# Altium PCB as_x31.PcbDoc (part 7 of 8) (continued)
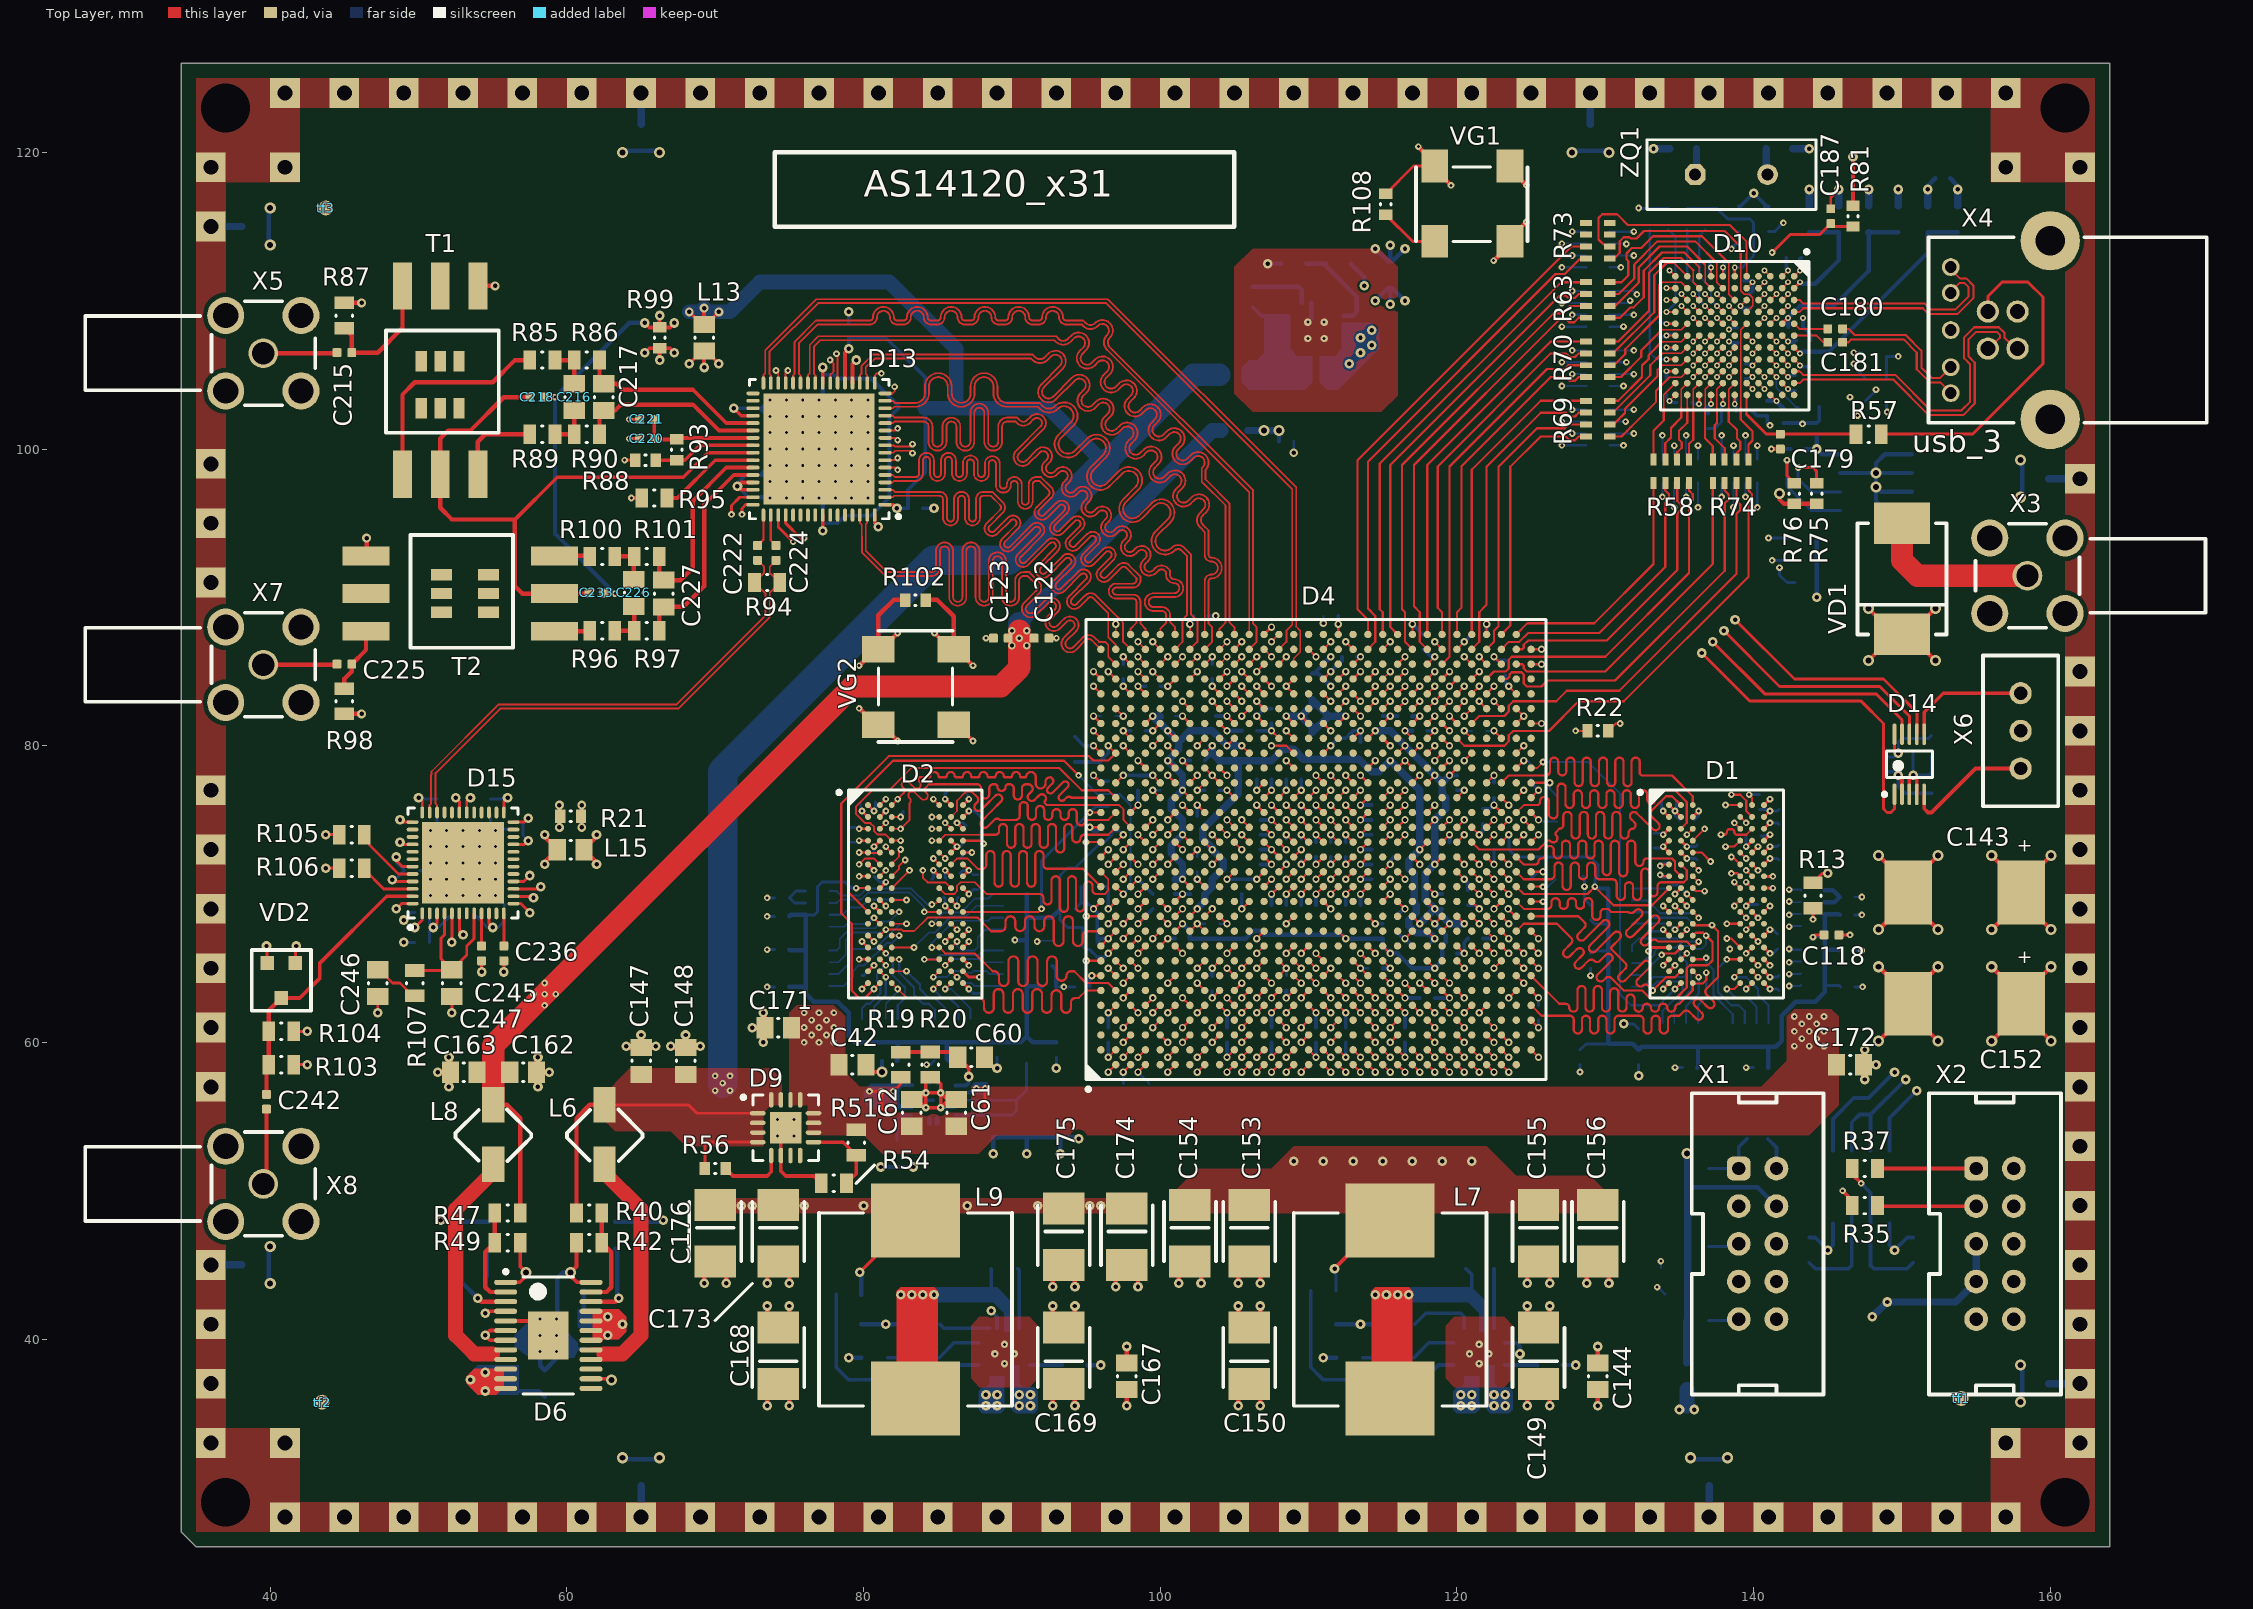
[diagram p0: Top Layer view]
## Nets (pads, with @x,y where several pads share a name; then routed paths per layer and width w, separated by ;. In a path a pad name is that pad's centre, name@x,y a point inside that pad or via, vN(x,y) a via of type N, cw(c..) or ccw(c..) an arc to the next point about the centre after c; other vN are vias at no path point) (continued)
  Bottom Layer w0.15: C136.2@97,82 v1(97.5,82) ; v1(102.5,68) C137.2@103,68 ; v1(102.5,71) C135.2@102.5,71.5 v1(102.5,71) ; C116.2@122,81 v1(122.5,81) C116.2@122,81
  Bottom Layer w0.2: C32.2@79.1,74.5 79.6,74.5 v2(79.7,74.4) ; C58.2@79.9,64.5 80,64.5 v2(80.7,65.2) ; C34.2@80.7,71.2 81.1,70.8 v2(81.5,70.8) ; C52.2@80.7,72.7 v2(80.7,73.2) ; v2(80.7,75.6) 80.8,75.7 C33.2@80.8,76.2 ; C37.2@84.6,71 84.7,71.1 v2(84.7,71.6) ; C36.2@85.4,69.8 85.5,69.7 v2(85.5,69.2) ; v2(85.5,76.4) 85.5,76.8 C249.2@85.7,77 ; v2(86.3,74.8) 86.7,74.8 C38.2@86.9,74.6 ; C53.2@86.5,72.4 86.9,72.8 v2(87.3,72.8) ; v2(87.1,70) 87.4,70.3 C35.2@87.7,70.3 ; C54.2@87.9,74.2 87.9,73.6 v2(88.1,73.4) ; C252.2@125,77.75 125,77.5 v1(125.5,77) ; v1(125.5,61) C114.2@125.5,61.5 ; v3(131.25,61.25) 131.9,61.25 R17.1@132.25,60.9 ; C29.2@133.3,74.1 133.8,74.1 v2(133.9,74) ; v2(133.7,71.9) 133.9,72.1 C23.2@134.3,72.1 ; C248.2@134.8,76.2 134.8,75.7 v2(134.7,75.6) 134.7,75.3 C47.2@135,75 ; v2(135.5,73.2) 136.1,73.2 C28.2@136.2,73.3 ; v2(139.7,76.7) C30.2@140.4,76.7 ; C26.2@140.5,73.9 141,73.9 v2(141.1,74) ; v2(141.1,64.4) 141.6,64.4 C51.2@141.7,64.5 ; v2(141.1,66) 141.3,66 C50.2@141.6,66.3 ; v2(141.1,73.2) 141.6,73.2 C25.2@141.7,73.3 ; v2(141.1,74.8) 141.6,74.8 C27.2@141.7,74.7
  Bottom Layer w0.25: R18.1@94.25,80.6 94.85,80 v1(95.5,80) ; C138.2@95.25,63.75 95.25,64.375 v1(95.375,64.5) ; C124.2@96.5,61 v1(96.5,62) ; v1(98.5,68) C127.2@99.5,69 ; v1(98.5,76) C125.2@98.5,77 ; C126.2@99,81 v1(99.5,81) ; C130.2@104,77 v1(104.5,77) ; v1(105.5,69) C129.2@105.5,70 ; C250.2@115.9,68.5 116.4,69 v1(116.5,69) ; v1(120.5,71) 120.75,70.75 C111.2@120.75,70.25 ; v1(121.5,74) 121.75,74.25 C112.2@121.75,74.75 ; C113.2@121.75,67 v1(122.5,67) ; C115.2@122.5,77.5 v1(122.5,78) ; C117.2@123.25,84.75 123.25,84.25 v1(123.5,84)
  other v2: 142.75,59.75 143.75,59.75 144.75,59.75 76,60 77,60 78,60 143.25,60.25 144.25,60.25 76.5,60.5 77.5,60.5 142.75,60.75 143.75,60.75 144.75,60.75 76,61 77,61 78,61 143.25,61.25 144.25,61.25 76.5,61.5 77.5,61.5 142.75,61.75 143.75,61.75 144.75,61.75 76,62 77,62 78,62
V1P8A: C230.2 C231.2 C232.2 D13.36 D13.45 D13.46 L13.1 | length 10.4
  Top Layer w0.25: v3(68.25,105.75) 69.1,106.6 L13.1@69.25,106.6 ; v3(69.25,105.5) L13.1@69.25,106.6 ; v3(70.25,105.75) 69.4,106.6 L13.1@69.25,106.6 ; v3(71.25,102.75) 71.75,102.25 D13.36@72.55,102.25 ; D13.46@72.55,97.25 71.75,97.25 v3(71.5,97.5) 71.75,97.75 D13.45@72.55,97.75
  Bottom Layer w0.25: v3(71.25,102.75) C230.2@72.05,102.75 ; C232.2@72.05,96.75 72.05,96.95 v3(71.5,97.5) 71.5,97.7 C231.2@72.05,98.25
V1P8D: C147.2 C148.2 C234.2 C235.2 D9.1 D9.2 D9.3 D9.4 D9.15 D9.16 D13.1 D13.21 L6.2 L13.2 L14.2 L25.1 R40.2 R56.2 | length 152.8
  Top Layer w0.2: L6.2@62.529,55.788 68.212,55.788 68.775,55.225 D9.1@72.875,55.225 ; R56.2@69.3,51.5 69.3,53.05 69.525,53.275 D9.4@72.875,53.275
  Top Layer w0.25: v7(68.25,109.25) 69.1,108.4 L13.2@69.25,108.4 ; v7(69.25,109.5) 69.25,109.25 L13.2@69.25,108.4 ; v7(70.25,109.25) 69.4,108.4 L13.2@69.25,108.4 ; D13.21@78.75,104.45 78.75,106.5 v3(79,106.75) ; D13.1@81.45,96.25 82,96.25 v3(82.25,96)
  Top Layer w0.3: R40.2@60.65,48.5 60.65,54.9 61.538,55.788 L6.2@62.529,55.788
  Bottom Layer w0.25: v3(79,106.75) C235.2@79,107.5 81.5,107.5 84.15,104.85 L14.2@84.15,102.75 84.15,98.4 83,97.25 C234.2@83,96 v3(82.25,96)
  Bottom Layer w1: v7(68.25,109.25) 69,109.25 v7(69.25,109.5) 69.5,109.25 v7(70.25,109.25) 71,109.25 73,111.25 81.75,111.25 86.25,106.75 86.25,102.75 ; L14.2@84.15,102.75 86.25,102.75 ; 96.25,99 92.5,102.75 86.25,102.75
  Bottom Layer w1.5: 96.25,99 102.25,105 L25.1@104,105
  Bottom Layer w2: v2(70.5,57.25) 70.5,78.25 84.75,92.5 89.75,92.5 96.25,99
  other v2: 70,56.75 71,56.75 70,57.75 71,57.75
V1P8DVDD: C228.2 C229.2 D13.24 D13.57 L14.1 | length 20.7
  Top Layer w0.25: v3(77.25,94.5) D13.57@77.25,95.55 ; D13.24@77.25,104.45 v3(77.25,105.5)
  Bottom Layer w0.25: v3(77.25,94.5) C229.2@77.25,95 78.25,95 78.75,95.5 80.5,95.5 81.75,96.75 81.75,102.15 L14.1@82.35,102.75 82.35,102.9 80.5,104.75 78.25,104.75 78,105 C228.2@77.25,105 v3(77.25,105.5)
V1P8USB: D12.1 D12.2 D12.3 D12.4 D12.15 D12.16 L25.2 R84.2 | length 2.6
  Bottom Layer w0.25: R84.2@106.25,109.55 106.825,108.975 D12.4@108.625,108.975
V2P5D: C97.2 C98.2 C99.2 C100.2 C101.2 C102.2 C103.2 C104.2 C105.2 C106.2 C107.2 C108.2 C122.2 C123.2 C131.2 C132.2 C133.2 C134.2 C139.2 C140.2 C141.2 C142.2 C162.2 C163.2 D4.AA22 D4.AB11 D4.AB25 D4.AC12 D4.AC17 D4.AC20 D4.AC28 D4.AD10 D4.AD15 D4.AE11 D4.AE21 D4.AE24 D4.AF27 D4.AG30 D4.C28 D4.D24 D4.F11 D4.F21 D4.F23 D4.F27 D4.G13 D4.G16 D4.G19 D4.G30 D4.J26 D4.K23 D4.K29 D4.L22 D4.M24 D4.M25 D4.N28 D4.P21 D4.P24 D4.R24 D4.T26 D4.T27 D4.U24 D4.U30 D4.W23 D4.W25 D4.W26 D4.Y29 L3.2 L4.2 L5.2 L8.2 L26.1 R47.2 | length 272.4
  Top Layer w0.125: D4.G30@102,87.5 v1(102,88.2)
  Top Layer w0.15: v1(97.5,86) D4.C28@98,85.5 ; D4.D24@99,81.5 v1(99.5,82) ; v1(100.5,79) D4.F21@101,78.5 ; v1(100.5,81) D4.F23@101,80.5 ; v1(100.5,84) D4.F27@101,84.5 ; D4.F11@101,68.5 v1(101.5,69) ; v1(101.5,71) D4.G13@102,70.5 ; v1(101.5,74) D4.G16@102,73.5 ; v1(101.5,77) D4.G19@102,76.5 ; v1(103.5,84) D4.J26@104,83.5 ; v1(104.5,80) D4.K23@105,80.5 ; D4.K29@105,86.5 v1(105.5,87) ; v1(105.5,80) D4.L22@106,79.5 ; v1(106.5,82) D4.M24@107,81.5 ; v1(106.5,83) D4.M25@107,82.5 ; D4.N28@108,85.5 v1(108.5,86) ; v1(108.5,79) D4.P21@109,78.5 ; v1(108.5,82) D4.P24@109,81.5 ; v1(109.5,82) D4.R24@110,81.5 ; D4.T26@111,83.5 v1(111.5,83) ; D4.T27@111,84.5 v1(111.5,85) ; D4.U24@112,81.5 v1(112.5,82) ; D4.U30@112,87.5 v1(112,88.2) ; D4.W23@114,80.5 v1(114.5,81) ; D4.W25@114,82.5 v1(114.5,83) ; D4.W26@114,83.5 v1(114.5,84) ; D4.Y29@115,86.5 v1(115.5,87) ; D4.AA22@116,79.5 v1(116.5,80) ; D4.AB11@117,68.5 v1(117.5,68) ; D4.AB25@117,82.5 v1(117.5,83) ; D4.AC12@118,69.5 v1(118.5,69) ; D4.AC17@118,74.5 v1(118.5,75) ; D4.AC20@118,77.5 v1(118.5,78) ; D4.AC28@118,85.5 v1(118.5,86) ; v1(118.5,72) D4.AD15@119,72.5 ; D4.AD10@119,67.5 v1(119.5,68) ; v1(119.5,78) D4.AE21@120,78.5 ; v1(119.5,82) D4.AE24@120,81.5 ; D4.AE11@120,68.5 v1(120.5,68) ; D4.AF27@121,84.5 v1(121.5,85) ; D4.AG30@122,87.5 v1@122,88.2
  Top Layer w0.3: L8.2@54.971,55.788 55.962,55.788 56.85,54.9 R47.2@56.85,48.5
  Top Layer w1.5: L8.2@55.029,55.788 55.029,59.779 v2(58.5,63.25) 79.25,84 89.25,84 90.5,85.25 v1(90.5,87.25) 90.5,87.75
  int_2 w0.5: v1(101.5,69) 102.25,69.75 102.25,70.25 v1(101.5,71)
  int_2 w0.7: 133.75,35.25 v3(135,35.25) v3(136,35.25)
  int_2 w1: 60.25,61.5 68.25,53.5 68.25,49.5 72.25,45.5 72.25,34.75 75,32 130.5,32 133.75,35.25
  int_2 w1.5: v2(58.5,63.25) 60.25,61.5
  Bottom Layer w0.25: C142.2@97.5,85.5 v1(97.5,86) ; C141.2@100,84 v1(100.5,84) ; v1(102,88.2) 102.25,88.45 C100.2@102.25,88.75 ; v1(103.5,84) C140.2@103.5,84.5 ; v1(106.5,82) 107,82.5 ; v1(106.5,83) 107,82.5 ; C99.2@107.5,82.5 107,82.5 ; v1(111.5,85) 112.25,85.75 C134.2@112.25,86 ; v1(112,88.2) C101.2@112,88.75 ; C97.2@117.75,86.5 118.25,86 v1(118.5,86) ; v1(118.5,69) C108.2@119,69 ; v1(119.5,78) C106.2@120,78 ; C104.2@122,87.5 v1(122,88.2)
  Bottom Layer w0.5: C139.2@100,82 v1(99.5,82) v1(100.5,81) 101.25,80.25 ; C103.2@101,71 v1(101.5,71) 101.5,72 100.75,72.75 100.75,73.25 v1(101.5,74) 101.5,75 100.75,75.75 100.75,76.25 v1(101.5,77) 101.5,78 v1(100.5,79) 101.25,79.75 101.25,80.25 ; v1(105.5,80) v1(104.5,80) 103.5,81 102,81 101.25,80.25 ; v1(108.5,82) v1(109.5,82) ; v1(112.5,82) 111.35,82 ; v1(114.5,81) 115.5,81 v1(116.5,80) v1(118.5,78) 119,77.5 ; v1(117.5,68) v1(118.5,69) ; 118.5,72.75 v1(118.5,72) 117.875,71.375 117.875,69.625 v1(118.5,69) ; 118.5,72.75 v1(118.5,75) 119.25,75.75 119.25,76.5 119,76.75 119,77.5 ; v1(119.5,78) 119,77.5 ; v1(120.5,68) v1(119.5,68) v1(118.5,69) ; v1(109.5,82) 110.25,82.75 L3.2@110.25,83.1 111.35,82 ; v1(109.5,82) 110.25,81.25 L4.2@110.25,80.9 111.35,82
  Bottom Layer w0.6: v3(135,35.25) 135.25,35.5 135.5,35.5 135.75,35.5 v3(136,35.25)
  Bottom Layer w1: 90.5,88.25 103.5,101.25 L26.1@104.1,101.25 ; 135.5,35.5 L5.2@135.5,36.6
  Bottom Layer w1.5: v1(90.5,87.25) 90.5,88.25
  other v1: 90,86.75 91,86.75 90,87.75 91,87.75
  other v2: 58.5,62.5 57.75,63.25 59.25,63.25 58.5,64
V2P5USB: C202.2 C203.2 C204.2 C205.2 C206.2 C207.2 C208.2 D10.B1 D10.E3 D10.F1 D10.H11 D10.L9 L26.2 R77.2 R78.2 | length 68.9
  Top Layer w0.125: v5(139.129,109.646) D10.E3@139.529,110.046 ; D10.B1@141.929,111.646 v5(142.329,112.046)
  Top Layer w0.15: v5(134.129,105.246) D10.L9@134.729,105.246 ; v5(137.129,103.046) D10.H11@137.129,103.646 ; D10.F1@138.729,111.646 v5(138.729,112.246)
  int_2 w0.3: 132.383,103.5 v5(134.129,105.246) 135.029,106.146 135.029,107.346 135.529,107.846 137.729,107.846 v5(138.329,107.246) 139.129,107.246 ; v5(137.129,103.046) 137.129,103.346 137.829,104.046 138.729,104.046 139.129,104.446 139.129,107.246 ; v5(142.329,112.046) 142.329,112.446 142.129,112.646 138.929,112.646 138.729,112.446 v5(138.729,112.246) 138.729,110.046 v5(139.129,109.646) 139.129,107.246
  int_2 w0.5: v6(107,101.25) 117.05,101.25 119.3,103.5 132.383,103.5
  Bottom Layer w0.2: R78.2@135.5,116.2 R77.2@136.75,116.2 137.55,116.2 138.25,115.5 139.75,115.5 140,115.25 140,113.017 139.229,112.246 v5(138.729,112.246)
  Bottom Layer w0.25: C202.2@108,100.5 v6(108,101.25) ; v5(138.329,107.246) 138.429,107.146 C203.2@138.929,107.146 ; C208.2@142.2,112.9 142.2,112.175 v5(142.329,112.046)
  Bottom Layer w0.3: C204.2@134.129,104.746 v5(134.129,105.246) ; C207.2@136.9,102.4 136.9,102.817 v5(137.129,103.046) ; v5(139.129,109.646) 139.329,109.446 C206.2@139.729,109.446
  Bottom Layer w0.5: L26.2@105.9,101.25 v6(107,101.25) v6(108,101.25)
V3P3D: C145.2 C146.2 C159.2 C160.2 C173.1 C174.1 C175.1 C176.1 C209.2 C210.2 C211.2 C212.2 C213.2 C214.2 C223.2 D5.8 D6.4 D6.6 D6.7 D6.10 D6.11 D6.12 D6.18 D6.19 D6.20 D6.21 D10.B6 D10.C11 D10.E10 D11.8 D14.2 L9.2 L15.2 R34.2 R50.2 R62.1 R75.2 R76.2 R81.2 R91.2 R102.1 R103.2 R108.1 VD2.2 VG1.4 VG2.4 X2.5 X2.7 | length 84.8
  Top Layer w0.125: D10.E10@139.529,104.446 v5(139.929,104.046) ; D10.C11@141.129,103.646 v5(141.529,103.246) ; D10.B6@141.929,107.646 v5(142.329,107.246)
  Top Layer w0.2: v3(39.75,66.5) 39.8,66.45 VD2.2@39.8,65.35 ; R103.2@41.6,58.5 v3@42.5,58.5 ; R108.1@115.2,117.2 117.08,119.08 VG1.4@118.5,119.08
  Top Layer w0.25: v3(54.5,41.75) 54.625,41.875 D6.4@55.875,41.875 ; D6.7@55.875,39.925 54.825,39.925 v3(54.5,40.25) 54.825,40.575 D6.6@55.875,40.575 ; v3(79.75,44.5) 83.25,48 L9.2@83.5,48 ; R81.2@146.7,116.4 v3(146.7,119.7) ; v3(149.75,78) 150,77.75 D14.2@150,76.725
  Top Layer w0.3: v3(62,72) 62,72.15 L15.2@61.15,73 62,73.85 v3(62,74) ; R102.1@84.35,89.85 84.95,89.85 86.08,88.72 VG2.4@86.08,86.5 ; v2(84.78,87.6) 85.88,86.5 VG2.4@86.08,86.5 ; v2(87.38,85.4) 86.28,86.5 VG2.4@86.08,86.5 ; v2(117.4,120.38) 118.5,119.28 VG1.4@118.5,119.08 118.5,118.88 v2(119.6,117.78) ; v6(141.75,97) 141.75,96.6 142.05,96.3 R76.2@142.75,96.3 R75.2@144.25,96.3
  int_2 w0.3: v5(139.929,104.046) 139.929,103.646 140.329,103.246 v5(141.529,103.246) 144.246,103.246 144.25,103.25 ; v5(142.329,107.246) 143.504,107.246 144.25,106.5 144.25,103.25 ; v3(144.25,100) 144.25,103.25
  Bottom Layer w0.2: R62.1@148.95,103.25 148.95,102.55 v2(149,102.5)
  Bottom Layer w0.25: R34.2@143.75,46.85 144.15,46.85 v3(145,46) 145.345,46.345 D5.8@145.345,47.8 ; C223.2@149,78.25 149.5,78.25 v3(149.75,78) 149.75,77.25 150.2,76.8 R91.2@152,76.8
  Bottom Layer w0.3: v3(54.5,36.5) 58.1,36.5 C145.2@58.5,36.1 ; C146.2@61.15,43.25 61.15,41.25 C159.2@61.25,41.15 ; v3(79.75,44.5) 79.85,44.4 R50.2@79.85,43 ; C211.2@140.929,103.246 v5(141.529,103.246) 141.529,103.221 C210.2@142,102.75 ; v5(142.329,107.246) 142.729,107.246 C213.2@142.829,107.346 ; C209.2@143.5,100 v3(144.25,100) ; C212.2@144.25,100.75 v3(144.25,100) ; D11.8@145.85,99.655 144.595,99.655 v3(144.25,100)
  Bottom Layer w0.5: v3(148,41.5) v3(149,42.5) 153.62,42.5 X2.7@155,43.88 X2.5@155,46.42
  other v3: 53.5,37.25 54.5,37.75 62.75,40.25 63.75,41 62.75,41.5 71.75,49 72.5,49 76,49 80,49 87,49 91.75,49 95.25,49 96,49 42.5,58.5
VCC_AUX: C82.2 C83.2 C84.2 C85.2 C86.2 D4.AC10 D4.AC16 D4.AD22 D4.G11 D4.H16 D4.H22 L4.1 | length 50.3
  Top Layer w0.15: D4.G11@102,68.5 v1(102.5,69) ; D4.H16@103,73.5 v1(103.5,73) ; D4.H22@103,79.5 v1(103.5,80) ; v1(117.5,73) D4.AC16@118,73.5 ; D4.AC10@118,67.5 v1(118.5,67) ; v1(118.5,79) D4.AD22@119,79.5
  int_2 w0.3: v1(115.5,79) 116.25,78.25 116.75,78.25 117,78.5 117.5,79 v1(118.5,79)
  Bottom Layer w0.25: C86.2@103,79 103.5,79.5 ; C83.2@118,66.5 v1(118.5,67)
  Bottom Layer w0.5: v1(102.5,69) 103,69.5 C82.2@103,70 103.5,70.5 103.5,71 104.25,71.75 104.25,72.25 v1(103.5,73) 103.5,73.116 102.875,73.741 102.875,74.375 105.25,76.75 105.25,79 ; v1(103.5,80) 103.5,79.5 104,79 107.5,79 108.25,79.75 109,79.75 109.65,79.1 L4.1@110.25,79.1 113.4,79.1 114.25,78.25 114.75,78.25 v1(115.5,79) 117.5,77 v1(117.5,73) 116.75,72.25 116.75,71.75 117.125,71.375 117.125,69.375 117.25,69.25 117.25,68.75 116.75,68.25 116.75,67.866 117.241,67.375 118.125,67.375 v1(118.5,67)
VCC_PLL: C70.2 C71.2 C72.2 C73.2 C74.2 D4.AB6 D4.AB23 D4.J8 D4.J24 D4.K6 D4.P6 D4.V6 D4.Y8 L3.1 | length 90.1
  Top Layer w0.15: v1(103.5,65) D4.J8@104,65.5 ; D4.J24@104,81.5 v1(104.5,81) ; D4.K6@105,63.5 v1(105.5,64) ; v1(108.5,63) D4.P6@109,63.5 ; D4.V6@113,63.5 v1(113.5,63) ; D4.Y8@115,65.5 v1(115.5,65) ; v1(116.5,64) D4.AB6@117,63.5 ; v1(116.5,81) D4.AB23@117,80.5
  int_1 w0.3: v1(103.5,65) 103.5,64.5 104,64 v1(105.5,64) 106.5,64 107.75,65.25 107.75,68.5 105.75,70.5 105.75,71.5 106.5,72.25 106.5,75 105.75,75.75 105.75,77.25 106.5,78 108.75,78 109.5,78.75 109.5,81 111,82.5 ; v1(104.5,81) 104.75,81.25 106.75,81.25 110.5,85 ; v1(108.5,63) 109.25,62.25 109.75,62.25 112.75,65.25 112.75,66.25 113.025,66.525 113.25,66.75 113.25,68.5 114.25,69.5 ; v1(111.5,86) 110.5,85 ; v1(113.5,63) v1(115.5,65) ; v1(116.5,64) v1(115.5,65) ; v1(116.5,81) 115.5,81 114.25,79.75 113.75,79.75 ; 110.5,85 v1(111.5,84) 110.75,83.25 110.75,82.75 111,82.5 ; 111,82.5 113.75,79.75 ; 113.75,79.75 113.75,78.75 114.25,78.25 114.25,69.5 ; 114.25,69.5 115.25,68.5 115.25,67.25 116.25,66.25 116.25,65.75 v1(115.5,65)
  Bottom Layer w0.3: C71.2@103.5,64.5 v1(103.5,65) ; v1(104.5,81) C73.2@105.5,81 ; v1(108.5,63) C70.2@108.5,63.5 ; L3.1@110.25,84.9 L3.1@110.4,84.9 ; v1(111.5,84) 110.6,84.9 L3.1@110.4,84.9 ; v1(111.5,86) L3.1@110.4,84.9 ; C74.2@115,65 v1(115.5,65) ; v1(116.5,81) C72.2@117,81
VCCPGM: C95.2 C96.2 C109.2 C110.2 D4.AB24 D4.AC8 D4.AC11 D4.AD11 D4.F10 D4.U10 D4.Y9 L5.1 R25.1 R26.1 R27.2 R28.2 R29.2 R30.1 R31.1 R32.1 X1.4 | length 153.3
  Top Layer w0.15: D4.F10@101,67.5 v1(101.5,68) ; D4.U10@112,67.5 v1(112.5,67) ; D4.Y9@115,66.5 v1(115.5,66) ; D4.AC8@118,65.5 v1(118.5,65) ; D4.AC11@118,68.5 v1(118.5,68) D4.AD11@119,68.5
  Top Layer w0.2: D4.AB24@117,81.5 v1(117.5,82)
  int_2 w0.2: v1(117.5,82) 117,81.5 116,81.5 114,79.5 114,78.5 114.5,78 114.5,69.75 118.5,65.75 v1(118.5,65)
  int_2 w0.3: v1(118.5,65) 119.5,65 124.75,59.75 124.75,58.25 126,57 128.75,57 133.25,52.5 v6(135.5,52.5) 137,54 149.7,54 153.75,58.05 153.75,76.85 144.25,86.35 v3(144.25,90)
  Bottom Layer w0.3: v1(101.5,68) 102,67.5 C95.2@102,67 105.758,67 106.283,67.525 106.718,67.525 106.993,67.25 112.25,67.25 v1(112.5,67) C110.2@115,67 115,66.5 v1(115.5,66) 116,66 117,65 v1(118.5,65) 119,65.5 C109.2@119,66 119,66.5 119.25,66.75 119.25,67.25 v1(118.5,68) ; C96.2@117,82 v1(117.5,82) ; v6(135.5,52.5) v6@135.55,52.45 ; 135.55,50.25 140.25,50.25 X1.4@141.54,48.96 ; v3(144.25,90) R31.1@144.25,93.95
  Bottom Layer w0.5: L5.1@135.5,38.4 135.5,41.2 R27.2@135.55,41.25 R25.1@135.55,46.25 135.55,50.25 R26.1@135.55,51.5 v6@135.55,52.45
VREF: C220.1 C221.1 D13.39 R93.2 | length 7.9
  Top Layer w0.25: C221.1@65.9,102 C220.1@65.9,100.7 65.95,100.65 R93.2@67.4,100.65 ; R93.2@67.5,100.75 D13.39@72.55,100.75
VREFDDR0: C3.1 C5.1 C7.1 C9.1 C11.1 C13.1 C15.2 C16.2 C19.2 C20.2 C118.2 C119.2 D1.H1 D1.M8 D4.AH16 D4.AJ13 L1.2 R1.3 R1.4 R3.1 R3.2 R3.3 R3.4 R4.1 R4.2 R4.3 R4.4 R6.1 R6.2 R6.3 R6.4 R9.1 R9.2 R9.3 R9.4 R11.1 R11.2 R11.3 R11.4 | length 72.1
  Top Layer w0.15: D4.AH16@123,73.5 v1(123.5,74) ; D4.AJ13@124,70.5 124.5,70 128.8,70 v2(129.3,70.5) 130.55,69.25 133.15,69.25 D1.H1@134.3,70.4 ; D1.M8@139.9,67.2 v2(140.3,66.8)
  Top Layer w0.2: v2(144,67.1) 144.15,67.25 C118.2@144.75,67.25
  int_1 w0.15: v2(140.3,66.8) 140.4,66.9 143.8,66.9 v2(144,67.1)
  Bottom Layer w0.15: v2(144,67.1) 144.7,67.1 144.8,67
  Bottom Layer w0.2: v1(123.5,74) C19.2@123.5,73 124,72.5 129,72.5 129.5,72 129.5,71.2 129.3,71 v2(129.3,70.5) ; C15.2@128.3,59.5 128.7,59.9 L1.2@130.25,59.9 ; C13.1@129,66 129.15,66.15 R3.4@130.2,66.15 ; C119.2@129,68.25 129.275,67.975 R4.1@130.2,67.975 ; R6.4@144.8,63.85 145.75,63.85 C16.2@145.85,63.75
  Bottom Layer w0.3: v2(129.3,70.5) 129.425,70.375 R4.4@130.2,70.375 R4.1@130.2,67.975 R3.4@130.2,66.15 130.2,59.95 L1.2@130.25,59.9 131.85,59.9 C20.2@132.25,59.5 132.45,59.7 R9.4@133.85,59.7 R9.1@136.25,59.7 ; C9.1@136.2,58.3 136.25,58.35 R9.1@136.25,59.7 ; C7.1@141,58.3 R11.1@141,59.7 ; C5.1@145.8,66.2 145.75,66.25 R6.1@144.8,66.25 ; C3.1@145.8,68.6 145.75,68.65 R1.3@144.8,68.65 R6.1@144.8,66.25 ; R9.1@136.25,59.7 R11.1@141,59.7 ; R11.1@141,59.7 141.5,59.7 141.9,60.1 141.9,61.8 142.85,62.75 144.15,62.75 144.8,63.4 R6.4@144.8,63.85 R6.1@144.8,66.25
VREFDDR1: C4.1 C6.1 C8.1 C10.1 C12.1 C14.1 C17.2 C18.2 C21.2 C22.2 C120.2 C121.2 D2.H1 D2.M8 D4.B9 D4.B16 L2.2 R2.1 R2.2 R5.1 R5.2 R5.3 R5.4 R7.1 R7.2 R7.3 R7.4 R8.1 R8.2 R8.3 R8.4 R10.1 R10.2 R10.3 R10.4 R12.1 R12.2 R12.3 R12.4 | length 71.9
  Top Layer w0.15: v2(79.5,70.4) D2.H1@80.3,70.4 ; v2(85.5,66.8) D2.M8@85.9,67.2 ; v1(96.5,66) D4.B9@97,66.5 ; D4.B16@97,73.5 v1(97.5,74)
  int_1 w0.15: v2(85.5,66.8) 85.699,66.8 86.124,66.375 89.675,66.375 v2(90.2,66.9)
  Bottom Layer w0.2: R2.2@76.1,68.6 76.7,68.6 76.9,68.8 76.9,70.5 77.2,70.8 78.8,70.8 79.2,70.4 v2(79.5,70.4) ; C21.2@95.75,65.75 95.25,66.25 95,66.25 94.75,66.5 C121.2@94.75,67.75 93.75,67.75 93.25,68.25 C14.1@93.25,69 93.25,71.25 93.75,71.75 94.25,71.75 96,73.5 96.25,73.5 96.75,74 C120.2@96.75,74.25 97.25,74.25 v1(97.5,74)
  Bottom Layer w0.25: C21.2@95.75,65.75 96.25,65.75 v1(96.5,66)
  Bottom Layer w0.3: C17.2@75,63.75 76.05,63.75 R5.1@76.1,63.8 ; C6.1@75,66.25 75.05,66.2 R5.4@76.1,66.2 ; C4.1@75,68.5 75.1,68.6 R2.2@76.1,68.6 R2.1@76.1,67.8 R5.4@76.1,66.2 ; C8.1@82.25,58.75 82.3,58.8 R10.1@82.3,60 ; C10.1@85.75,58.75 85.6,58.9 R8.3@85.6,60 ; v2(90.2,66.9) 91,66.9 ; R7.1@91,70 R7.3@91,68.4 ; C12.1@92,63.75 91.95,63.8 R12.4@91,63.8 ; C18.2@93,60 91.4,60 L2.2@91,60.4 ; C14.1@93.25,69 92.65,68.4 R7.3@91,68.4 ; R5.1@76.1,63.8 R5.4@76.1,66.2 ; R5.1@76.1,63.8 76.1,63.3 76.65,62.75 78.25,62.75 79,62 79,60.4 79.4,60 R10.1@82.3,60 ; R10.1@82.3,60 R8.3@85.6,60 ; R8.3@85.6,60 R8.1@87.2,60 C22.2@89,60 90.6,60 L2.2@91,60.4 ; L2.2@91,60.4 91,61.9 R12.4@91,63.8 ; R12.4@91,63.8 91,66.9 ; 91,66.9 R7.3@91,68.4
pads on no net: bf1.0 bf2.0 bf3.0 D1.J1 D1.J9 D1.L1 D1.L9 D1.M7 D2.J1 D2.J9 D2.L1 D2.L9 D2.M7 D3.9 D4.A2 D4.A3 D4.A4 D4.A5 D4.A21 D4.A25 D4.A28 D4.AA7 D4.AA8 D4.AA9 D4.AA10 D4.AA11 D4.AA13 D4.AA15 D4.AA20 D4.AA23 D4.AA24 D4.AA29 D4.AB3 D4.AB4 D4.AB7 D4.AB8 D4.AB9 D4.AB12 D4.AB13 D4.AB14 D4.AB16 D4.AB17 D4.AB18 D4.AB19 D4.AB27 D4.AB28 D4.AC9 D4.AC14 D4.AC15 D4.AC19 D4.AC21 D4.AD3 D4.AD4 D4.AD8 D4.AD9 D4.AD12 D4.AD13 D4.AD14 D4.AD18 D4.AD19 D4.AD20 D4.AE5 D4.AE7 D4.AE10 D4.AE12 D4.AE13 D4.AE18 D4.AE20 D4.AE22 D4.AE28 D4.AF3 D4.AF4 D4.AF6 D4.AF7 D4.AF8 D4.AF10 D4.AF18 D4.AF19 D4.AF20 D4.AF21 D4.AG6 D4.AG7 D4.AG8 D4.AG12 D4.AG18 D4.AG19 D4.AG21 D4.AG22 D4.AG23 D4.AG24 D4.AH4 D4.AH5 D4.AH6 D4.AH7 D4.AH21 D4.AH22 D4.AH24 D4.AH26 D4.AJ1 D4.AJ2 D4.AJ3 D4.AJ4 D4.AJ5 D4.AJ17 D4.AJ20 D4.AJ23 D4.AJ27 D4.AK3 D4.AK15 D4.AK22 D4.AK23 D4.AK25 D4.AK26 D4.AK27 D4.B3 D4.B4 D4.B21 D4.B23 D4.B24 D4.B26 D4.C12 D4.C19 D4.C20 D4.C21 D4.C24 D4.C25 D4.C27 D4.D3 D4.D4 D4.D6 D4.D7 D4.D8 D4.D10 D4.D14 D4.D15 D4.D18 D4.D19 D4.D20 D4.D22 D4.D23 D4.D25 D4.E1 D4.E2 D4.E6 D4.E7 D4.E8 D4.E13 D4.E18 D4.E21 D4.E22 D4.E25 D4.E26 D4.F3 D4.F4 D4.F6 D4.F8 D4.F13 D4.F14 D4.F19 D4.F24 D4.F25 D4.F26 D4.G1 D4.G2 D4.G6 D4.G7 D4.G8 D4.G9 D4.G12 D4.G14 D4.G17 D4.G22 D4.G23 D4.G26 D4.H3 D4.H4 D4.H7 D4.H9 D4.H12 D4.H14 D4.H15 D4.H17 D4.H19 D4.H24 D4.H25 D4.H26 D4.H27 D4.J1 D4.J2 D4.J7 D4.J9 D4.J10 D4.J12 D4.J13 D4.J14 D4.J18 D4.J19 D4.J22 D4.J23 D4.K3 D4.K4 D4.K8 D4.K10 D4.K11 D4.K12 D4.K13 D4.K15 D4.K18 D4.K20 D4.K21 D4.K22 D4.L7 D4.L9 D4.L10 D4.L11 D4.L13 D4.L14 D4.L15 D4.L18 D4.L19 D4.L20 D4.L21 D4.L23 D4.L24 D4.M3 D4.M4 D4.M11 D4.M12 D4.M21 D4.M22 D4.M23 D4.N9 D4.N10 D4.N11 D4.N12 D4.N20 D4.N21 D4.N22 D4.N24 D4.N25 D4.N26 D4.N27 D4.P3 D4.P4 D4.P10 D4.P12 D4.P20 D4.P25 D4.P29 D4.P30 D4.R10 D4.R11 D4.R12 D4.R20 D4.R21 D4.R22 D4.R23 D4.R25 D4.R26 D4.R27 D4.R28 D4.R30 D4.T3 D4.T4 D4.T9 D4.T10 D4.T11 D4.T21 D4.T23 D4.T25 D4.T28 D4.T30 D4.U8 D4.U9 D4.U11 D4.U12 D4.U21 D4.U22 D4.U23 D4.U28 D4.U29 D4.V3 D4.V4 D4.V9 D4.V10 D4.V11 D4.V12 D4.V21 D4.V22 D4.V24 D4.V30 D4.W10 D4.W12 D4.W22 D4.W24 D4.W28 D4.Y3 D4.Y4 D4.Y10 D4.Y11 D4.Y15 D4.Y20 D4.Y21 D4.Y22 D4.Y28 D6.13 D6.15 D7.10 D8.14 D9.7 D9.8 D10.A11 D10.B11 D10.C2 D10.C4 D10.C10 D10.D1 D10.D6 D10.D11 D10.E7 D10.E8 D10.F2 D10.F6 D12.7 D12.8 D13.33 D13.34 D13.35 D13.53 D13.54 D13.55 D13.56 D13.58 D13.59 D13.60 D13.61 D15.2 D15.7 D15.11 D15.17 D15.18 D15.19 D15.20 D15.22 D15.23 D15.26 D15.27 D15.28 D15.29 D15.32 D15.33 D15.38 D15.39 D15.41 D15.42 R73.1 R73.2 R73.7 R73.8 T1.5 T1.11 T1.12 T1.13 T1.14 T1.15 T1.16 T2.5 T2.11 T2.12 T2.13 T2.14 T2.15 T2.16 tf1.0 tf2.0 tf3.0 VG1.0 VG2.0 X1.6 X1.7 X1.8

## Polygon pours and split planes (outlines as drawn)
V3P3D on Top Layer "tl_3v3_source" (solid, remove dead copper, pour order 118): 98.5,48.5 98.5,49.5 69.5,49.5 69.5,48.5
V1P1D on Top Layer "Top Layer-v1p1d" (solid, remove dead copper, pour order 117): 109,53 122,53 124,51 129,51 130,50 130,49.04 129.5,48.5 101.5,48.5 101,49 101,50 102.5,51.5 107.5,51.5
SHIELD on Top Layer "case" (solid, pour order 104): 156.5,27 156.5,29 41.5,29 41.5,27
SHIELD on Top Layer "case" (solid, pour order 90): 37,33.5 37,118.5 35,118.5 35,33.5
SHIELD on Top Layer "case" (solid, pour order 76): 161,33.5 163,33.5 163,118.5 161,118.5
SHIELD on Top Layer "Top Layer-No Net 1" (solid, pour order 86): 42,27 42,34 35,34 35,27
SHIELD on Top Layer "Top Layer-No Net 1" (solid, pour order 103): 163,27 163,34 156,34 156,27
SHIELD on Top Layer "Top Layer-No Net 1" (solid, pour order 108): 163,118 156,118 156,125 163,125
SHIELD on Top Layer "Top Layer-No Net 1" (solid, pour order 112): 156.5,123 156.5,125 41.5,125 41.5,123
SHIELD on Top Layer "Top Layer-No Net 1" (solid, pour order 116): 42,118 42,125 35,125 35,118
V1P8D on Top Layer "tl_1v8" (solid, pour order 64): 74.5,56 74.5,57.5 73.75,58.25 64.25,58.25 62.25,56.25 62.25,55 63.25,54 67,54 68,53 73.25,53 73.25,55.25 73.75,55.75 74.25,55.75
0V on Top Layer "tl_0va" (solid, pour order 75): 106.222,113.5 105,112.278 105,103.722 106.222,102.5 114.9,102.5 116,103.6 116,112.278 114.778,113.5
0V on Top Layer "tl_0v" (solid, pour order 100): 87.813,41.5 87.25,40.906 87.25,37.344 87.813,36.75 91.187,36.75 91.75,37.344 91.75,40.906 91.187,41.5
0V on Top Layer "tl_0v" (solid, pour order 99): 119.813,41.5 119.25,40.906 119.25,37.344 119.813,36.75 123.188,36.75 123.75,37.344 123.75,40.906 123.188,41.5
V1P5D on Top Layer "tl_1v5" (solid, pour order 78): 145.75,61.75 145.25,62.25 142.75,62.25 142.25,61.75 142.25,58.75 140.5,57 79.75,57 78.75,58 78.75,61.75 78,62.5 75.5,62.5 75,62 75,55.75 76.25,55.75 76.25,53.75 80,53.75 81.25,52.5 87.75,52.5 89,53.75 143.75,53.75 145.75,55.75
0VAA on Bottom Layer "0vaa_9517" (solid, remove dead copper, pour order 67): 49,77.5 59.5,77.5 60.25,76.75 60.25,71.75 58.75,70.25 58.75,68.5 56.5,66.25 48.5,66.25 47.5,67.25 47.5,76
SHIELD on Bottom Layer "case" (solid, pour order 102): 156.5,27 156.5,29 41.5,29 41.5,27
SHIELD on Bottom Layer "case" (solid, pour order 85): 37,33.5 37,118.5 35,118.5 35,33.5
SHIELD on Bottom Layer "case" (solid, pour order 69): 161,33.5 163,33.5 163,118.5 161,118.5
SHIELD on Bottom Layer "Top Layer-No Net 1" (solid, pour order 84): 42,27 42,34 35,34 35,27
SHIELD on Bottom Layer "Top Layer-No Net 1" (solid, pour order 101): 163,27 163,34 156,34 156,27
SHIELD on Bottom Layer "Top Layer-No Net 1" (solid, pour order 107): 163,118 156,118 156,125 163,125
SHIELD on Bottom Layer "Top Layer-No Net 1" (solid, pour order 111): 156.5,123 156.5,125 41.5,125 41.5,123
SHIELD on Bottom Layer "Top Layer-No Net 1" (solid, pour order 115): 42,118 42,125 35,125 35,118
V0P75D on Bottom Layer "bl_0v75" (solid, pour order 68): 130.5,58 131,57.5 131,56.5 129.5,55 86.25,55 86.25,56.25 89.75,56.25 90.25,56.75 90.25,58 90.75,58.5 91.25,58.5 91.75,58 91.75,56.75 92.25,56.25 128.75,56.25 129.5,57 129.5,57.5 130,58
0V on Bottom Layer "bl_0v" (solid, pour order 74): 71.3,58.8 70.3,57.8 70.3,50.8 71.3,49.8 78.4,49.8 79.3,50.7 79.3,57.8 78.3,58.8
0V on Bottom Layer "bl_0v" (solid, pour order 89): 56.5,44.75 55,43.789 55,37.061 56.5,36.1 61,36.1 62.5,37.061 62.5,43.789 61,44.75
SHIELD on int_2 "case" (solid, pour order 98): 156.5,27 156.5,29 41.5,29 41.5,27
SHIELD on int_2 "case" (solid, pour order 81): 37,33.5 37,118.5 35,118.5 35,33.5
SHIELD on int_2 "case" (solid, pour order 63): 161,33.5 163,33.5 163,118.5 161,118.5
SHIELD on int_2 "Top Layer-No Net 1" (solid, pour order 80): 42,27 42,34 35,34 35,27
SHIELD on int_2 "Top Layer-No Net 1" (solid, pour order 93): 163,27 163,34 156,34 156,27
SHIELD on int_2 "Top Layer-No Net 1" (solid, pour order 106): 163,118 156,118 156,125 163,125
SHIELD on int_2 "Top Layer-No Net 1" (solid, pour order 110): 156.5,123 156.5,125 41.5,125 41.5,123
SHIELD on int_2 "Top Layer-No Net 1" (solid, pour order 114): 42,118 42,125 35,125 35,118
0VAA on int_2 "in1_0vaa" (solid, pour order 62): 47.5,76 49,77.5 57.5,77.5 58.75,76.25 58.75,68.5 57.25,67 49.25,67 47.5,68.75
0VA on int_2 "in2_0vaa" (solid, pour order 66): 72,104.5 72.5,105 81.5,105 82,104.5 82,95.5 81.5,95 72.5,95 72,95.5
0V on int_2 "in2_0va" (solid, pour order 73): 107,112.5 106,111.5 106,104.5 107,103.5 114.1,103.5 115,104.4 115,111.5 114,112.5
0V on int_2 "in2_0v" (solid, pour order 72): 71.3,58.8 70.3,57.8 70.3,50.8 71.3,49.8 78.4,49.8 79.3,50.7 79.3,57.8 78.3,58.8
0V on int_2 "in2_0v" (solid, pour order 88): 55,47.5 52.5,45.833 52.5,34.167 55,32.5 62.5,32.5 65,34.167 65,45.833 62.5,47.5
0V on int_2 "in2_0v" (solid, pour order 97): 85.375,44 84,42.75 84,35.25 85.375,34 93.625,34 95,35.25 95,42.75 93.625,44
0V on int_2 "in2_0v" (solid, pour order 96): 117.375,44 116,42.75 116,35.25 117.375,34 125.625,34 127,35.25 127,42.75 125.625,44
0V on int_2 "in2_0v" (solid, pour order 83): 82.825,59.75 86.4,59.75 86.675,59.75 87.5,58.942 87.5,53.558 86.675,52.75 82.825,52.75 82,53.558 82,58.942
SHIELD on int_1 "case" (solid, pour order 92): 156.5,27 156.5,29 41.5,29 41.5,27
SHIELD on int_1 "case" (solid, pour order 79): 37,33.5 37,118.5 35,118.5 35,33.5
SHIELD on int_1 "case" (solid, pour order 61): 161,33.5 163,33.5 163,118.5 161,118.5
SHIELD on int_1 "Top Layer-No Net 1" (solid, pour order 77): 42,27 42,34 35,34 35,27
SHIELD on int_1 "Top Layer-No Net 1" (solid, pour order 91): 163,27 163,34 156,34 156,27
SHIELD on int_1 "Top Layer-No Net 1" (solid, pour order 105): 163,118 156,118 156,125 163,125
SHIELD on int_1 "Top Layer-No Net 1" (solid, pour order 109): 156.5,123 156.5,125 41.5,125 41.5,123
SHIELD on int_1 "Top Layer-No Net 1" (solid, pour order 113): 42,118 42,125 35,125 35,118
0VAA on int_1 "in1_0vaa" (solid, pour order 60): 47.5,76 49,77.5 57.5,77.5 58.75,76.25 58.75,68.5 57.25,67 49,67 47.5,68.5
0VA on int_1 "in1_0vaa" (solid, pour order 65): 72,104.5 72.5,105 81.5,105 82,104.5 82,95.5 81.5,95 72.5,95 72,95.5
0V on int_1 "in1_0va" (solid, pour order 71): 107,112.5 106,111.5 106,104.5 107,103.5 114.1,103.5 115,104.4 115,111.5 114,112.5
0V on int_1 "in1_0v" (solid, pour order 70): 71.3,58.8 70.3,57.8 70.3,50.8 71.3,49.8 78.4,49.8 79.3,50.7 79.3,57.8 78.3,58.8
0V on int_1 "in1_0v" (solid, pour order 87): 55,47.5 52.5,45.833 52.5,34.167 55,32.5 62.5,32.5 65,34.167 65,45.833 62.5,47.5
0V on int_1 "in1_0v" (solid, remove dead copper, pour order 95): 85.375,44 84,42.75 84,35.25 85.375,34 93.625,34 95,35.25 95,42.75 93.625,44